# Altium PCB PCB_Project.PcbDoc (part 1 of 4) (continued)
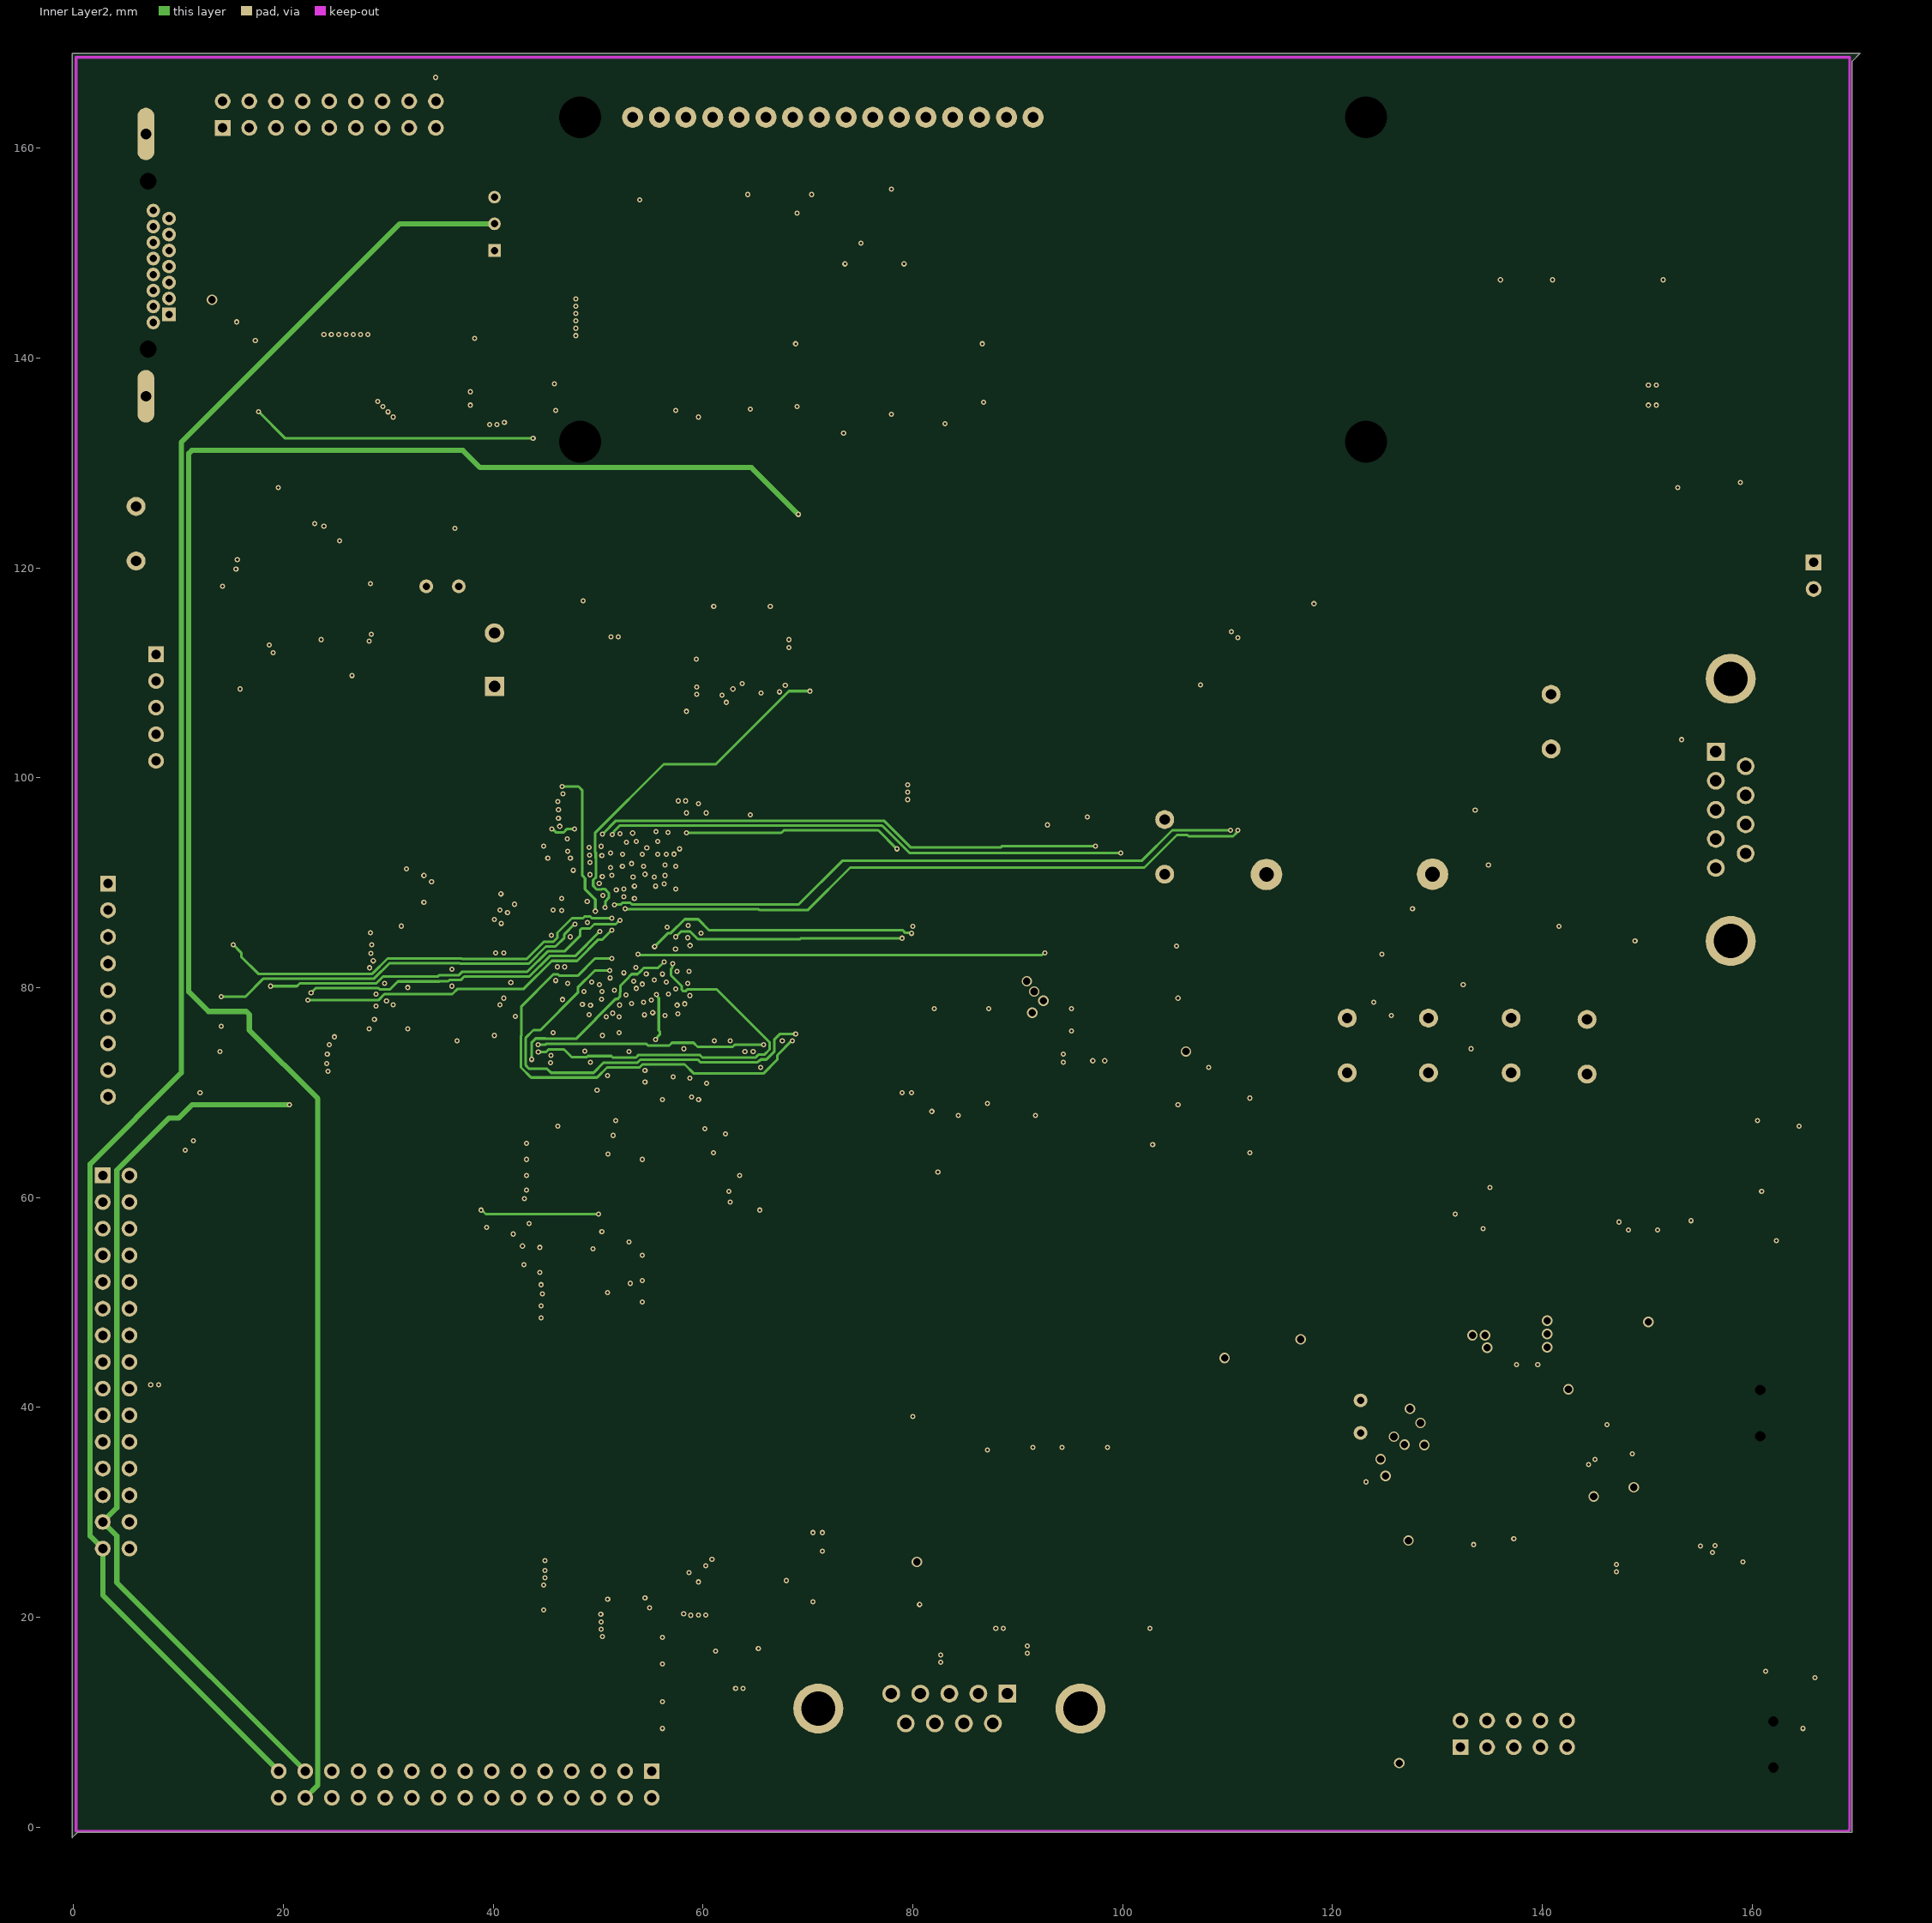
[diagram p3: Inner Layer2]
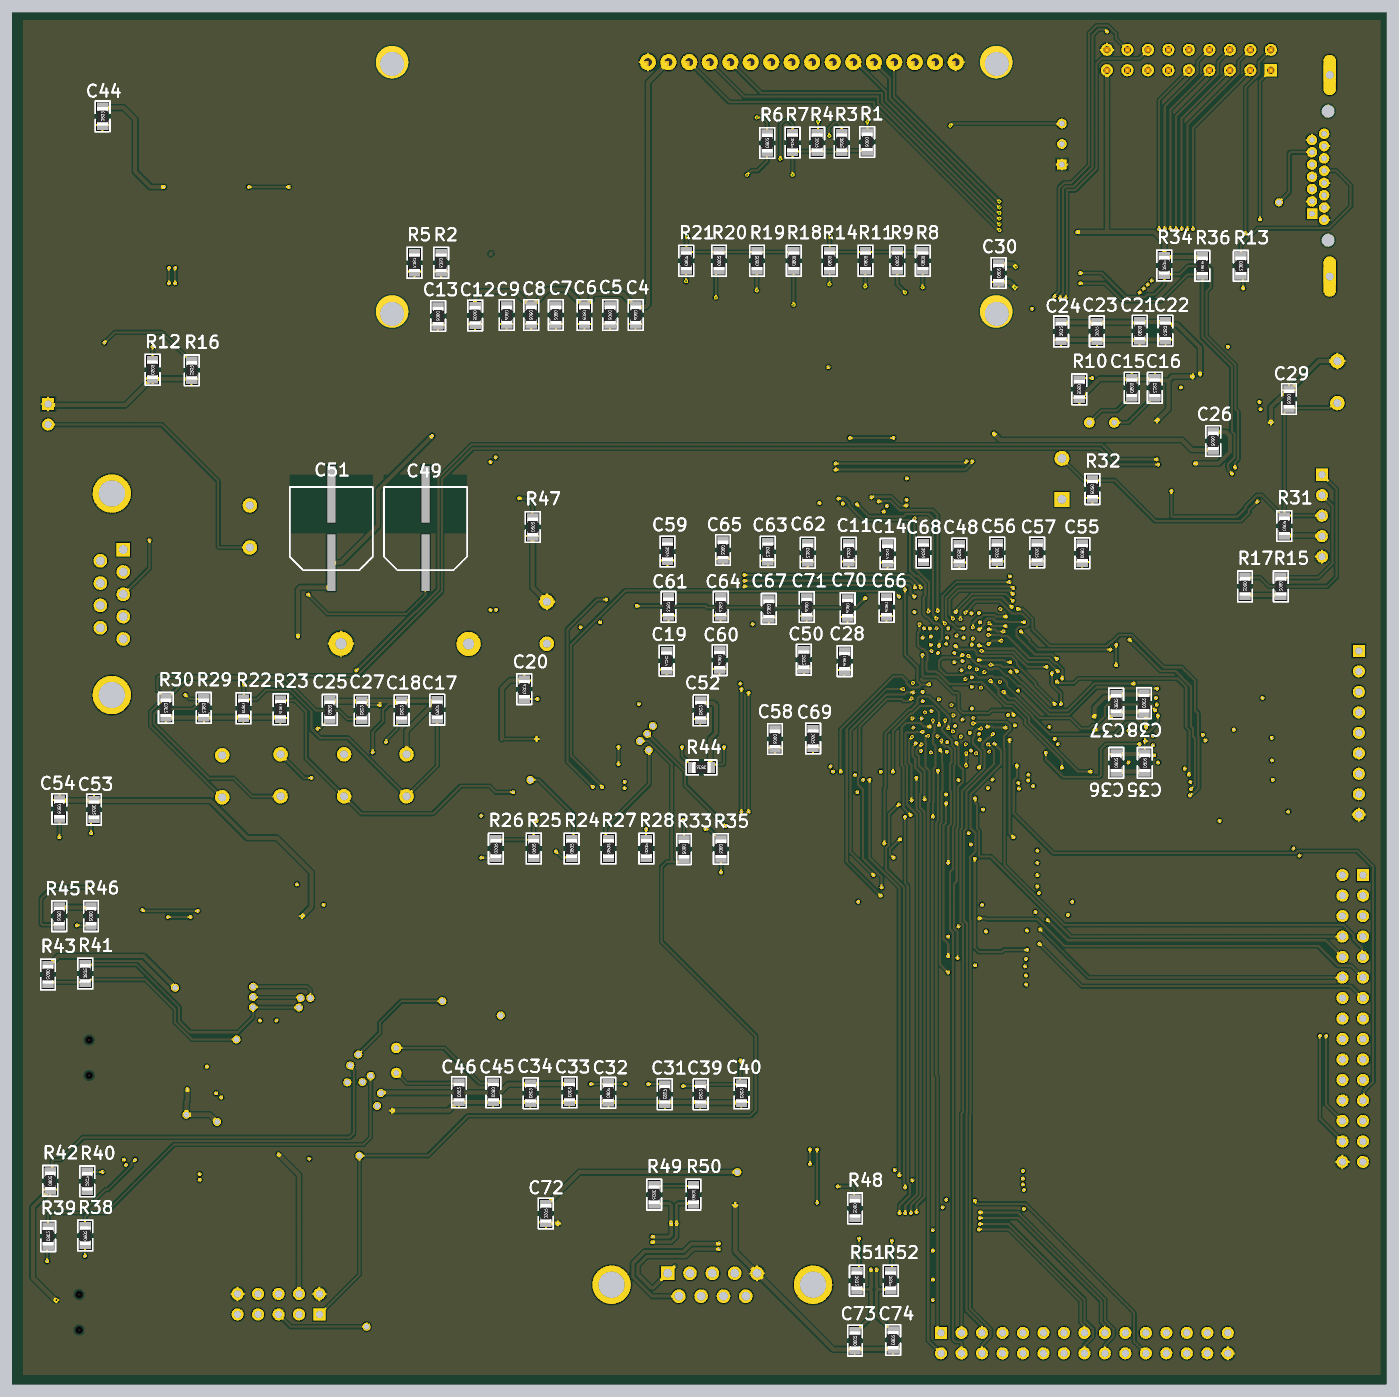
[diagram p7: 3D render of the assembled board from below, using the file's embedded part models]

## Layer stack, top to bottom
Top Solder: solder mask 0.0102, Solder Resist, Dk 3.5
Top Layer: signal copper 0.0356
Dielectric 3: prepreg 0.0711, PP-006, Dk 4.1
Inner Layer1: signal copper 0.009
Dielectric 1: dielectric 0.32, FR-4, Dk 4.8
Inner Layer2: signal copper 0.009
Dielectric 4: prepreg 0.0711, PP-006, Dk 4.1
Bottom Layer: signal copper 0.0356
Bottom Solder: solder mask 0.0102, Solder Resist, Dk 3.5

## Board outline
-0.127,-1.016 0.381,-0.508 169.545,-0.508 169.545,168.275 170.307,169.037 -0.127,169.037

## Design rules (kind name [scope] priority, off if disabled: settings)
Clearance [All] p1: gap=0.2 ignorepadtopadclearanceinfootprint=FALSE except(0: Arc-Hole Track-Hole SMDPad-Hole THPad-Hole Via-Hole Fill-Hole Poly-Hole Region-Hole Text-Hole)
DiffPairsRouting [All] p1: maxlimit=0.254 minlimit=0.254 mostfreqgap=0.254 toplayer_minwidth=0.381 toplayer_maxwidth=0.381 toplayer_prefwidth=0.381 midlayer1_minwidth=0.381 midlayer1_maxwidth=0.381 midlayer1_prefwidth=0.381 midlayer2_minwidth=0.381 midlayer2_maxwidth=0.381 midlayer2_prefwidth=0.381 bottomlayer_minwidth=0.381 bottomlayer_maxwidth=0.381 bottomlayer_prefwidth=0.381 maxuncoupledlength=12.7
PlaneClearance [All] p1: clearance=0.3
PolygonConnect [All] p1: connectstyle=Relief reliefconductorwidth=0.254 reliefentries=4 polygonreliefangle="90 Angle" airgapwidth=0.254
RoutingVias [All] p1: holewidth=0.25 width=0.5 viastyle="Through Hole" minholewidth=0.25 minwidth=0.5 maxholewidth=1 maxwidth=1.5
SolderMaskExpansion [All] p1: expansion=0.102 istentingtop=FALSE
Width Width_1 [(InNet('1V2') OR InNet('3V3') OR InNet('3V3A') OR InNet('1V8') OR InNet('5V') OR InNet('2V5') OR InNet('GND') OR InNet('GNDA') OR InNet('D7'))] p1: maxlimit=0.5 minlimit=0.2 preferedwidth=0.5 midlayer1_minwidth=0.254 midlayer2_minwidth=0.254 minimp=50.000000 maximp=50.000000 favimp=50.000000
Width [All] p2: maxlimit=0.254 minlimit=0.25 preferedwidth=0.254 midlayer1_minwidth=0.254 midlayer2_minwidth=0.254 minimp=50.000000 maximp=50.000000 favimp=50.000000
28 further rules are at their usual default settings.

## Classes and differential pairs
differential pair RS: +RS_P -RS_N

## Components (designator, comment, footprint, x,y, rotation, side; value= is the part's Value field where it differs from the comment)
C1 "Cap Pol2" C_B 80.643,120.133 r180 top value=100uF
C2 "Cap Pol2" C_B 100.965,120.142 r180 top value=100uF
C3 "Cap Pol2" C_B 121.156,120.387 r180 top value=100uF
C4 "Cap" SMD_805 92.964,131.572 r0 bottom value=100pF
C5 "Cap" SMD_805 96.139,131.572 r0 bottom value=100nF
C6 "Cap" SMD_805 99.314,131.572 r0 bottom value=100pF
C7 "Cap" SMD_805 102.87,131.572 r0 bottom value=100nF
C8 "Cap" SMD_805 105.918,131.572 r0 bottom value=100pF
C9 "Cap" SMD_805 108.966,131.572 r0 bottom value=100nF
C10 "Cap Pol2" C_B 140.716,120.777 r180 top value=100uF
C11 "Cap" SMD_805 66.548,102.081 r0 bottom value=47uF
C12 "Cap" SMD_805 112.878,131.521 r0 bottom value=100pF
C13 "Cap" SMD_805 117.475,131.445 r0 bottom value=100nF
C14 "Cap" SMD_805 61.722,101.954 r0 bottom value=47uF
C15 "Cap" SMD_805 31.496,122.555 r180 bottom value=18pF
C16 "Cap" SMD_805 28.575,122.555 r0 bottom value=18pF
C17 "Cap" SMD_805 117.627,82.626 r180 bottom value=100pF
C18 "Cap" SMD_805 122.047,82.55 r180 bottom value=100pF
C19 "Cap" SMD_805 89.129,88.697 r0 bottom value=47uF
C20 "Cap" SMD_805 106.832,85.166 r180 bottom value=100nF
C21 "Cap" SMD_805 27.28,129.616 r0 bottom value=100nF
C22 "Cap" SMD_805 30.505,129.616 r180 bottom value=100nF
C23 "Cap" SMD_805 35.814,129.54 r180 bottom value=100nF
C24 "Cap" SMD_805 40.259,129.54 r180 bottom value=100nF
C25 "Cap" SMD_805 130.962,82.601 r180 bottom value=100pF
C26 "Cap" SMD_805 21.336,115.951 r0 bottom value=100nF
C27 "Cap" SMD_805 127,82.55 r180 bottom value=100pF
C28 "Cap" SMD_805 67.056,88.646 r0 bottom value=47uF
C29 "Cap" SMD_805 11.938,121.158 r0 bottom value=100nF
C30 "Cap" SMD_805 48.006,136.779 r180 bottom value=100pF
C31 "Cap" SMD_805 89.408,34.925 r180 bottom value=4.7uF
C32 "Cap" SMD_805 96.418,35.103 r180 bottom value=100nF
C33 "Cap" SMD_805 101.219,35.179 r180 bottom value=4.7uF
C34 "Cap" SMD_805 106.045,35.052 r180 bottom value=100nF
C35 "Cap" SMD_805 29.87,76.022 r180 bottom value=100pF
C36 "Cap" SMD_805 33.426,76.022 r180 bottom value=100pF
C37 "Cap" SMD_805 33.426,83.388 r180 bottom value=100pF
C38 "Cap" SMD_805 29.972,83.439 r180 bottom value=100pF
C39 "Cap" SMD_805 84.963,34.925 r180 bottom value=100nF
C40 "Cap" SMD_805 79.883,35.052 r180 bottom value=4.7uF
C41 "Cap Pol2" C_B 132.842,145.288 r180 top value=1uF
C42 "Cap Pol2" C_B 159.002,145.787 r180 top value=1uF
C43 "Cap Pol2" C_B 132.969,133.858 r180 top value=1uF
C44 "Cap" SMD_805 159.131,156.21 r180 bottom value=100nF
C45 "Cap" SMD_805 110.617,35.179 r0 bottom value=22pF
C46 "Cap" SMD_805 114.935,35.179 r180 bottom value=22pF
C47 "Cap Pol2" C_B 159.131,134.112 r180 top value=1uF
C48 "Cap" SMD_805 52.832,101.981 r0 bottom value=47uF
C49 "Cap" C_CYL_SMD 119.126,104.902 r270 bottom value=100nF
C50 "Cap" SMD_805 72.111,88.824 r0 bottom value=47uF
C51 "Cap" C_CYL_SMD 130.81,104.902 r270 bottom value=1000uF
C52 "Cap" SMD_805 84.963,82.55 r180 bottom value=100nF
C53 "Cap" SMD_805 160.147,70.231 r0 bottom value=100nF
C54 "Cap" SMD_805 164.44,70.307 r0 bottom value=100nF
C55 "Cap" SMD_805 37.567,102.032 r0 bottom value=0.47uF
C56 "Cap" SMD_805 48.133,102.108 r0 bottom value=0.47uF
C57 "Cap" SMD_805 43.18,102.108 r0 bottom value=0.47uF
C58 "Cap" SMD_805 75.692,78.994 r0 bottom value=0.47uF
C59 "Cap" SMD_805 89.027,102.235 r0 bottom value=4.7uF
C60 "Cap" SMD_805 82.55,88.773 r0 bottom value=4.7uF
C61 "Cap" SMD_805 88.9,95.377 r0 bottom value=100uF
C62 "Cap" SMD_805 71.628,102.081 r0 bottom value=4.7uF
C63 "Cap" SMD_805 76.581,102.208 r0 bottom value=680uF
C64 "Cap" SMD_805 82.423,95.377 r0 bottom value=680uF
C65 "Cap" SMD_805 82.144,102.438 r0 bottom value=4.7uF
C66 "Cap" SMD_805 61.849,95.35 r0 bottom value=680uF
C67 "Cap" SMD_805 76.454,95.123 r0 bottom value=680uF
C68 "Cap" SMD_805 57.277,102.108 r0 bottom value=0.47uF
C69 "Cap" SMD_805 70.968,79.045 r0 bottom value=4.7uF
C70 "Cap" SMD_805 66.675,95.223 r0 bottom value=100uF
C71 "Cap" SMD_805 71.755,95.35 r0 bottom value=100uF
C72 "Cap" SMD_805 104.165,20.142 r180 bottom value=100nF
C73 "Cap" SMD_805 65.811,4.369 r180 bottom value=100pF
C74 "Cap" SMD_805 61.087,4.445 r180 bottom value=100pF
D1 "LED0" SMD_805 155.956,124.841 r180 top
D2 "LED0" SMD_805 159.258,124.841 r180 top
D3 "LED0" SMD_805 114.173,65.278 r180 top
D4 "1N4001" TVS 148.082,105.664 r180 top
D5 "LED0" SMD_805 160.807,63.881 r180 top
D6 "LED0" SMD_805 164.363,63.881 r180 top
D7 "1N5822" 1N5822 113.335,89.535 r0 top
D8 "LED0" SMD_805 108.864,105.207 r180 top
D9 "TVS-SM712" SOT-23_L 95.25,22.606 r0 top
F1 "Ferrite Bead" SMD_805 45.593,119.507 r0 top value=10mH
F2 "Ferrite Bead" SMD_805 48.641,119.507 r0 top value=10mH
F3 "Ferrite Bead" SMD_805 113.284,28.448 r0 top value=10mH
F4 "Ferrite Bead" SMD_805 109.855,28.448 r180 top value=10mH
F5 "Ferrite Bead" SMD_805 148.59,7.366 r180 top value=10mH
J1 "D Connector 9" DSUB1.385-2H9 167.465,96.937 r270 top
J2 "D Connector 9" DSUB1.385-2H9 83.488,1.803 r180 top
L1 "Inductor" INDUC_SMD 125.857,104.013 r90 top value="100uH 3A"
LCD1 "LCD" LCD2x16_3d 101.854,148.209 r0 top
OSC1 "OSC_SMD" OSC_SMD 88.62,79.451 r90 top
P1 "SWD Micro" HDR1X5H 7.874,111.76 r270 top
P2 "Header 9X2" HEADER10x2 12.954,160.655 r90 top
P3 "Header 15X2" HDR2X15 2.794,62.103 r270 top
P4 "Header 15X2" HDR2X15 55.118,5.334 r180 top
P5 "Header 5X2H" HDR2X5H 132.207,7.62 r0 top
P6 "Array 10K" HDR1X9 3.302,89.916 r270 top
P7 "Header 2" HDR1X2 165.862,120.523 r270 top
R1 "Res1" SMD_805 64.262,153.035 r0 bottom value=510
R2 "Res1" SMD_805 117.094,138.049 r0 bottom value=100
R3 "Res1" SMD_805 67.412,152.959 r0 bottom value=1K
R4 "Res1" SMD_805 70.46,152.959 r0 bottom value=2K
R5 "Res1" SMD_805 120.396,138.049 r0 bottom value=100
R6 "Res1" SMD_805 76.708,152.908 r180 bottom value=1K
R7 "Res1" SMD_805 73.508,152.959 r0 bottom value=4K
R8 "" SMD_805 57.404,138.303 r180 bottom value=510
R9 "" SMD_805 60.579,138.303 r180 bottom value=1K
R10 "Res1" SMD_805 37.948,122.352 r0 bottom value=1K
R11 "" SMD_805 64.516,138.303 r180 bottom value=2K
R12 "Res1" SMD_805 152.933,124.79 r180 bottom value=1.5K
R13 "Res1" SMD_805 17.907,137.668 r0 bottom value=1K
R14 "" SMD_805 68.961,138.303 r180 bottom value=4K
R15 "Res1" SMD_805 12.954,97.917 r0 bottom value=10K
R16 "Res1" SMD_805 148.082,124.714 r180 bottom value=1.5K
R17 "Res1" SMD_805 17.399,97.917 r0 bottom value=10K
R18 "" SMD_805 73.406,138.303 r180 bottom value=510
R19 "" SMD_805 77.978,138.303 r180 bottom value=1K
R20 "" SMD_805 82.677,138.303 r180 bottom value=2K
R21 "" SMD_805 86.741,138.303 r180 bottom value=4K
R22 "Res1" SMD_805 141.605,82.804 r0 bottom value=2.2K
R23 "Res1" SMD_805 137.008,82.677 r0 bottom value=2.2K
R24 "Res1" SMD_805 100.965,65.405 r180 bottom value=100
R25 "Res1" SMD_805 105.664,65.405 r180 bottom value=4.7K
R26 "Res1" SMD_805 110.363,65.405 r180 bottom value=4.7K
R27 "Res1" SMD_805 96.393,65.405 r180 bottom value=4.7K
R28 "Res1" SMD_805 91.694,65.405 r180 bottom value=4.7K
R29 "Res1" SMD_805 146.533,82.855 r0 bottom value=2.2K
R30 "Res1" SMD_805 151.232,82.855 r0 bottom value=2.2K
R31 "Res1" SMD_805 12.573,105.41 r180 bottom value=10K
R32 "Res1" SMD_805 36.322,109.982 r0 bottom value=10K
R33 "Res1" SMD_805 86.97,65.329 r0 bottom value=100
R34 "Res1" SMD_805 27.457,137.719 r180 bottom value=4.7K
R35 "Res1" SMD_805 82.398,65.354 r0 bottom value=100
R36 "Res1" SMD_805 22.733,137.668 r180 bottom value=4.7K
R37 "RPot" VR5 40.132,152.781 r90 top value=1K
R38 "Res1" SMD_805 161.29,17.399 r180 bottom value=1K
R39 "Res1" SMD_805 165.887,17.323 r180 bottom value=1K
R40 "Res1" SMD_805 161.036,24.13 r180 bottom value=1K
R41 "Res1" SMD_805 161.29,49.911 r180 bottom value=2.2K
R42 "Res1" SMD_805 165.633,24.181 r180 bottom value=12K
R43 "Res1" SMD_805 165.862,49.784 r0 bottom value=10K
R44 "Res1" SMD_805 84.836,75.438 r90 bottom value=10K
R45 "Res1" SMD_805 164.465,57.023 r0 bottom value=1K
R46 "Res1" SMD_805 160.528,57.023 r0 bottom value=1K
R47 "Res1" SMD_805 105.791,105.283 r180 bottom value=2K
R48 "Res1" SMD_805 65.761,20.777 r0 bottom value=10K
R49 "Res1" SMD_805 90.678,22.479 r0 bottom value=0
R50 "120" SMD_805 85.852,22.479 r180 bottom
R51 "Res1" SMD_805 65.532,11.811 r0 bottom value=20
R52 "Res1" SMD_805 61.341,11.811 r0 bottom value=20
S1 "SW-PB" RES_B 121.412,74.549 r90 top
S2 "SW-PB" RES_B 129.159,74.549 r90 top
S3 "SW-PB" RES_B 137.033,74.549 r90 top
S4 "SW-PB" RES_B 144.272,74.422 r90 top
S5 "SW-SPST" SPST-2 40.132,111.252 r90 top
S6 "SW-PB" RES_B 5.969,123.19 r270 top
S7 "SW-PB" RES_B 104.013,93.472 r90 top
S8 "SW-SPST" RES_B 140.843,105.41 r90 top
S9 "SW DIP-8" DIP_SW_8WAY_SMD 15.997,80.391 r270 top
U1 "LD117DT33" SOT223 73.406,121.031 r0 top
U2 "LD117DT33" SOT223 93.235,121.07 r0 top
U3 "FAN1112D-1.8" SOT223 113.191,121.07 r0 top
U4 "XC7Z045-2FFG900I" IC_XC7Z045-2FFG900I 62.889,91.115 r270 top
U5 "FAN1112D-1.8" SOT223 133.02,121.451 r0 top
U6 "STM32F103RBT6" LQFP64_L 21.209,115.951 r135 top
U7 "XCF02SVO20C" XCF02S 98.425,81.788 r0 top
U8 "24C512" SOP8 36.322,137.541 r0 top
U9 "IS61LV25616AL" SOP44 26.808,88.95 r0 top
U10 "FT2232HL-Reel" LQFP64_L 136.652,36.83 r0 top
U11 "MAX3232CPE" max3232 146.05,147.955 r0 top
U12 "93LC46A-E/SN" SOIC-SN8_N 145.034,46.355 r0 top
U13 "FT232RL" SOP28 136.779,60.923 r0 top
U14 "LM2576HVT-5.0" LM2576_SMD 146.685,93.472 r270 top
U15 "MAX485CSA+" SOIC127P600X175-8N 75.692,23.368 r0 top
USB1 "MICRO_USB" MINI_USB_NEW 162.052,7.747 r270 top
USB2 "MICRO_USB" MINI_USB_NEW 160.808,39.324 r270 top
VGA1 "Connector 15" 050DSUB0.762-4H15 5.112,148.845 r270 top
Y1 "12MHz" BCY-W2/D3.1 35.179,118.237 r90 top
Y2 "12MHz" BCY-W2/D3.1 122.682,39.116 r180 top

## Footprints (in the part's own frame and the unit in brackets; to place one, negate y for a bottom-side part, rotate by r counter-clockwise, add the part's x,y. Pads: shape width x height; smd on the part's side, far side on the other; paste and mask are expansions set on the pad)
1N5822 [mm]
  round 3 hole 1.4: 1(16.205,1.27) 2(0.381,1.245)
  silkscreen extent 2.51,-1.4 14.05,3.81, body extent -0.13,-1.5 16.72,3.89, height 5.33
050DSUB0.762-4H15 [mm] "Connector; D Subminiature; 15 Position; Right Angle; Pitch 0.762 mm"
  rect 1.3x1.3 hole 0.7: 1(4.703,4)
  round 1.3 hole 0.7: 2(2.417,2.5) 3(0.131,4) 4(-2.155,2.5) 5(-4.441,4) 6(5.465,2.5) 7(3.179,4) 8(0.893,2.5) 9(-1.393,4) 10(-3.679,2.5) 11(3.941,2.5) 12(1.655,4) 13(-0.631,2.5) 14(-2.917,4) 15(-5.203,2.5)
  oval 5x1.6 hole 1: 16(-12.495,1.8) 17(12.495,1.8)
  round 1.3 hole 1.6: 18(-8,2) 19(8,2)
  silkscreen extent -15.48,0 15.48,5.1
BCY-W2/D3.1 [mm]
  round 1.3 hole 0.7: 1(0,1.55) 2(0,-1.55)
  silkscreen extent -1.55,-1.19 1.55,1.17
C_B [mm]
  rect 3.1x2 smd: 1(-0.002,-2.041) 2(-0.002,1.896)
  Top Layer pour cut-out: -1.829,0.889 -1.829,-3.327 1.829,-3.327 1.829,0.889
  silkscreen extent -2.67,-4.07 1.73,3.07, body extent -1.4,-1.78 1.4,1.78, height 2.23